# Altium PCB OR_TM2Space.PcbDoc (part 2 of 2)
Units mm, origin at the board's own origin, x right, y up, seen from the top; angles counter-clockwise.
Board outline 85.22 x 90.15 mm, 4 copper layers (Top Layer, GND1, GND2, Bottom Layer), stack 1.647 mm thick; 103 components, 73 nets, 476 pads, 666 vias.
Unrouted connection lines stored in the file: 103.
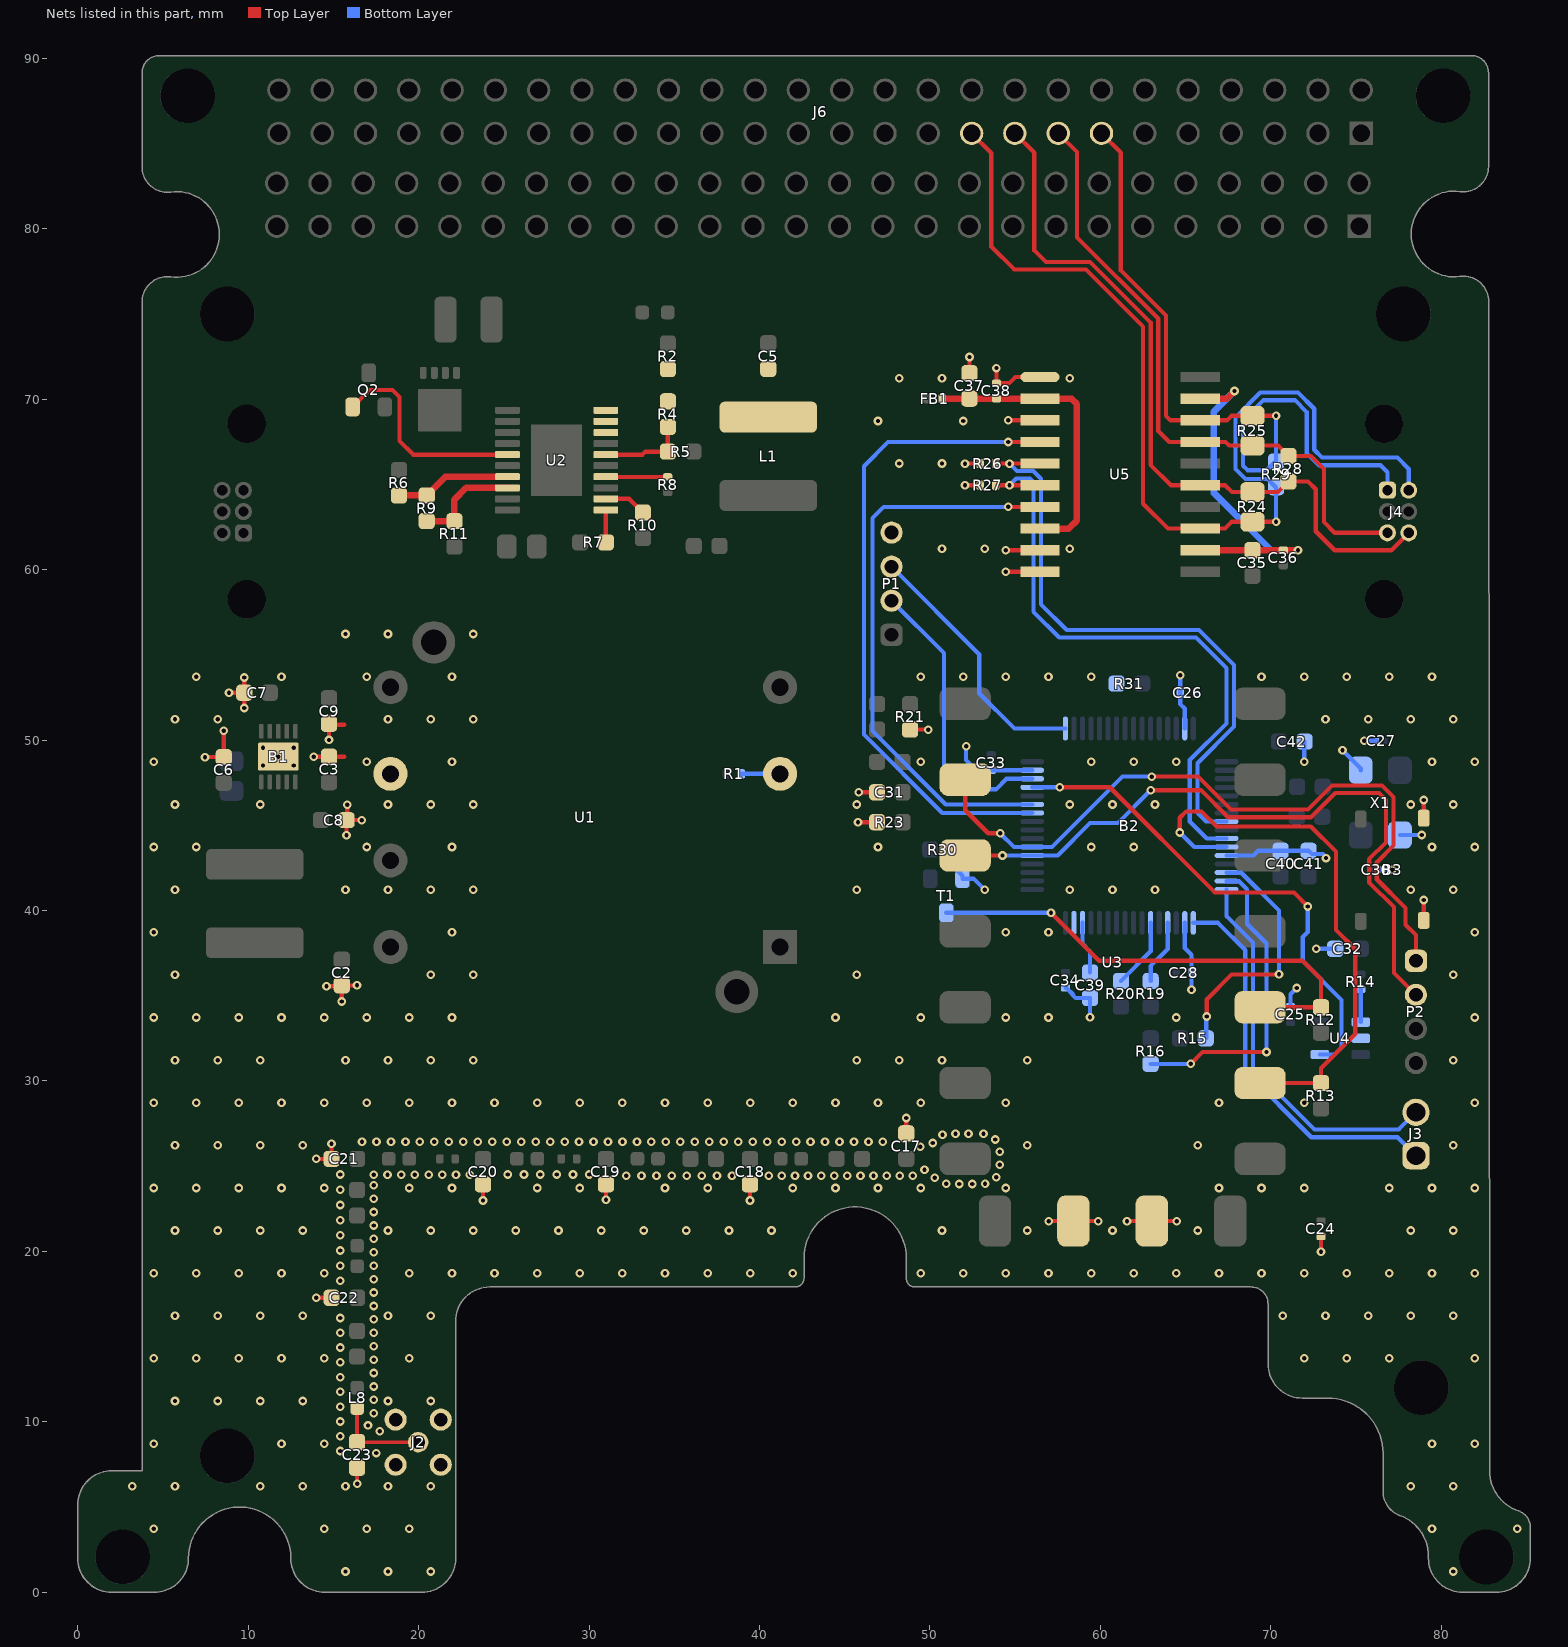
[diagram p4: the nets of this part, all layers, seen from the top]

## Via types
v1: diameter 0.508, hole 0.254, Top Layer to Bottom Layer, tented both sides, 666 vias

## Nets (pads, with @x,y where several pads share a name; then routed paths per layer and width w, separated by ;. In a path a pad name is that pad's centre, name@x,y a point inside that pad or via, vN(x,y) a via of type N, cw(c..) or ccw(c..) an arc to the next point about the centre after c; other vN are vias at no path point) (continued)
NetQ2_1: Q2.1 U2.5 | length 12.6
  Top Layer w0.254: Q2.1@16.126,69.544 16.126,69.622 16.417,69.914 16.496,69.914 17.123,70.541 18.472,70.541 18.882,70.131 18.882,67.551 19.684,66.749 U2.5@25.214,66.749
NetR1_2: R1.2 U1.2 | length 2.3
  Bottom Layer w0.246: R1.2@38.944,48.018 U1.2@41.209,48.018
NetR4_1: R4.1 R5.2 U2.16 | length 5.2
  Top Layer w0.254: U2.16@30.984,66.749 33.132,66.749 33.307,66.924 R5.2@34.624,66.924 R4.1@34.624,68.374
NetR6_1: R6.1 R9.2 U2.7 | length 6.8
  Top Layer w0.381: R6.1@18.849,64.349 R9.2@20.474,64.349 21.574,65.449 U2.7@25.214,65.449
NetR7_2: R7.2 U2.11 | length 1.9
  Top Layer w0.246: R7.2@30.984,61.599 U2.11@30.984,63.499
NetR8_2: R8.2 U2.14 | length 3.6
  Top Layer w0.254: U2.14@30.997,65.436 R8.2@34.612,65.436
NetR9_1: R9.1 R11.2 U2.8 | length 6.3
  Top Layer w0.381: R9.1@20.474,62.849 R11.2@22.099,62.849 22.099,64.112 22.786,64.799 U2.8@25.214,64.799
NetR10_2: R10.2 U2.12 | length 2.5
  Top Layer w0.254: U2.12@30.984,64.149 32.36,64.149 R10.2@33.16,63.349
NetR14_1: R14.1 U4.1 | length 1.9
  Bottom Layer w0.246: U4.1@75.276,33.45 R14.1@75.276,35.371
PA0: B2.14 R15.1 | length 14.9
  Top Layer w0.246: v1(66.238,33.779) 66.238,34.79 67.701,36.253 v1(70.475,36.253)
  Bottom Layer w0.246: R15.1@66.181,32.5 66.209,32.528 66.209,33.75 v1(66.238,33.779) ; B2.14@67.401,42.228 67.411,42.218 68.262,42.218 70.475,40.004 v1(70.475,36.253)
PA1: B2.15 R16.1 | length 18.5
  Top Layer w0.246: v1(65.301,31) 66.001,31.7 v1(69.746,31.7)
  Bottom Layer w0.246: R16.1@62.95,31 v1(65.301,31) ; B2.15@67.401,41.728 67.411,41.718 68.13,41.718 68.602,41.246 68.602,39.221 69.746,38.076 v1(69.746,31.7)
PA4: B2.20 R19.1 | length 3.8
  Bottom Layer w0.246: R19.1@62.951,35.863 62.951,36.741 63.951,37.741 B2.20@63.951,39.278
PA6: B2.22 R20.1 | length 4.1
  Bottom Layer w0.246: R20.1@61.201,35.86 62.951,37.61 B2.22@62.951,39.278
PD_UHF: B2.11 R13.2 U3.6 | length 32.7
  Top Layer w0.246: v1(64.657,44.578) 64.657,45.445 65.029,45.817 65.94,45.817 66.828,44.929 72.34,44.929 73.818,43.451 73.818,38.862 74.952,37.728 74.952,32.756 72.942,30.746 R13.2@72.942,29.878 U3.6@69.369,29.878
  Bottom Layer w0.246: v1(64.657,44.578) 65.507,43.728 B2.11@67.401,43.728
PTT_UHF: R12.2 T1.3 U3.5 | length 28.8
  Top Layer w0.246: v1(57.101,39.867) 59.918,37.05 71.857,37.05 72.942,35.965 R12.2@72.942,34.328 U3.5@69.369,34.328
  Bottom Layer w0.246: T1.3@50.959,39.867 v1(57.101,39.867)
RS485_DE: B2.10 R27.2 U5.6 | length 37
  Top Layer w0.246: R27.2@53.85,64.949 v1(54.669,64.949) U5.6@56.455,64.949
  Bottom Layer w0.246: v1@54.683,64.963 55.061,65.341 55.874,65.341 56.071,65.144 56.071,57.524 57.584,56.01 65.609,56.01 67.401,54.218 67.401,50.978 65.244,48.821 65.244,45.221 66.237,44.228 B2.10@67.401,44.228
RS485_RE: B2.8 R26.2 U5.5 | length 36.5
  Top Layer w0.246: R26.2@53.85,66.219 v1(54.669,66.219) U5.5@56.455,66.219
  Bottom Layer w0.246: v1(54.669,66.219) 55.101,65.787 56.058,65.787 56.517,65.328 56.517,57.963 58.024,56.456 65.794,56.456 67.847,54.403 67.847,50.793 65.691,48.637 65.691,45.736 66.199,45.228 B2.8@67.401,45.228
RS485_RX: B2.42 U5.4 | length 38.4
  Top Layer w0.246: v1(54.59,67.489) U5.4@56.455,67.489
  Bottom Layer w0.246: v1(54.59,67.489) 47.547,67.489 46.124,66.067 46.124,50.326 50.723,45.728 B2.42@56.001,45.728
RS485_TX: B2.43 U5.7 | length 33.7
  Top Layer w0.246: v1(54.59,63.679) U5.7@56.455,63.679
  Bottom Layer w0.246: v1(54.59,63.679) 47.286,63.679 46.624,63.018 46.624,50.533 50.93,46.228 B2.43@56.001,46.228
RS485A: J4.1 J6.13 R25.2 R29.1 U5.18 | length 45.6
  Top Layer w0.246: J6.13@60.064,85.596 61.2,84.46 61.2,77.551 63.844,74.907 63.844,69.024 64.108,68.759 U5.18@65.855,68.759 67.42,68.759 67.684,69.024 R25.2@68.924,69.024 v1(70.308,69.024)
  Bottom Layer w0.246: v1(70.308,69.024) 70.307,66.335 70.244,66.334 69.744,65.834 68.629,65.834 68.369,66.093 68.369,68.743 69.566,69.94 71.416,69.94 72.103,69.253 72.103,66.848 72.826,66.125 76.426,66.125 76.839,65.713 J4.1@76.839,64.659
RS485B: J4.3 J6.15 R25.1 R28.2 U5.17 | length 37.6
  Top Layer w0.246: J6.15@57.524,85.596 58.625,84.495 58.625,79.495 63.397,74.722 63.397,68.135 64.043,67.489 U5.17@65.855,67.489 67.341,67.489 67.557,67.274 R25.1@68.924,67.274 70.43,67.274 R28.2@71.034,66.669 72.346,66.669 73.121,65.894 73.121,62.786 73.748,62.159 J4.3@76.839,62.159
RS485Y: J4.4 J6.19 R24.2 R29.2 U5.13 | length 60.1
  Top Layer w0.246: J6.19@52.444,85.596 53.6,84.44 53.6,78.95 54.95,77.6 59.158,77.6 62.505,74.253 62.505,63.866 63.961,62.409 U5.13@65.855,62.409 67.307,62.409 67.702,62.804 R24.2@68.924,62.804 v1(70.308,62.804)
  Bottom Layer w0.246: v1(70.308,62.804) 70.307,64.834 70.289,64.834 69.81,65.312 68.519,65.312 67.923,65.909 67.923,68.928 69.381,70.387 71.6,70.387 72.549,69.438 72.549,67.033 73.01,66.572 77.429,66.572 78.089,65.912 J4.4@78.089,64.659
RS485Z: J4.6 J6.17 R24.1 R28.1 U5.15 | length 43.9
  Top Layer w0.246: J6.17@54.984,85.596 56.125,84.455 56.125,78.725 56.804,78.046 59.397,78.046 62.951,74.492 62.951,66.148 64.15,64.949 U5.15@65.855,64.949 67.319,64.949 67.714,64.554 R24.1@68.924,64.554 70.419,64.554 R28.1@71.034,65.169 72.185,65.169 72.637,64.717 72.637,62.25 73.748,61.139 77.069,61.139 J4.6@78.089,62.159
RX_UHF: B2.37 P2.2 U3.16 | length 40.7
  Top Layer w0.246: U3.16@52.069,43.228 v1(54.256,43.228) ; v1(62.954,47.059) 65.894,47.059 67.481,45.472 72.358,45.472 73.781,46.894 76.339,46.894 76.753,46.48 76.753,43.995 75.77,43.012 75.77,41.652 77.226,40.196 77.226,36.337 P2.2@78.513,35.05
  Bottom Layer w0.246: v1(54.256,43.228) B2.37@56.001,43.228 57.498,43.228 59.398,45.129 61.024,45.129 v1(62.954,47.059)
SMA: C23.2 J2.1 L8.2 | length 5.6
  Top Layer w0.224: L8.2@16.394,10.803 C23.2@16.394,8.806 J2.1@19.975,8.806
SWCLK: B2.49 P1.3 | length 15.5
  Bottom Layer w0.246: P1.3@47.747,60.175 52.893,55.029 52.893,52.74 54.956,50.678 B2.49@57.951,50.678
SWDIO: B2.46 P1.2 | length 17
  Bottom Layer w0.246: P1.2@47.747,58.175 50.823,55.099 50.823,48.408 52.122,47.11 53.87,47.11 54.488,47.728 B2.46@56.001,47.728
TX_UHF: B2.38 P2.1 U3.17 | length 42.2
  Top Layer w0.246: U3.17@52.069,47.678 52.069,45.885 53.423,44.531 v1(54.124,44.531) ; v1(63.019,47.856) 65.728,47.856 67.666,45.918 72.173,45.918 73.596,47.341 76.524,47.341 77.2,46.665 77.2,43.81 76.217,42.827 76.217,41.837 77.908,40.145 77.908,39.163 78.513,38.558 P2.1@78.513,37.05
  Bottom Layer w0.246: v1(54.124,44.531) 54.124,44.528 54.924,43.728 B2.38@56.001,43.728 57.164,43.728 61.292,47.856 v1(63.019,47.856)
UART2_RX: B2.17 J3.1 | length 22.9
  Bottom Layer w0.246: B2.17@65.451,39.278 66.897,39.278 68.504,37.672 68.504,30.568 72.372,26.7 77.432,26.7 J3.1@78.513,25.619
UART2_TX: B2.16 J3.2 | length 22.6
  Bottom Layer w0.246: B2.16@67.401,41.228 67.401,39.668 68.95,38.119 68.95,30.753 72.557,27.146 77.501,27.146 J3.2@78.513,28.159
VCAP: B2.30 C39.1 | length 3.1
  Bottom Layer w0.246: B2.30@58.951,39.278 58.951,38.048 59.393,37.605 C39.1@59.393,36.363
VCC: C37.1 C38.1 FB1.2 U5.2 U5.8 | length 17.2
  Top Layer w0.381: FB1.2@50.719,70.029 C37.1@52.317,70.029 C38.1@53.9,70.029 U5.2@56.455,70.029 58.31,70.029 58.625,69.714 58.625,62.883 58.151,62.409 U5.8@56.455,62.409
VCC_FUSED: C5.1 L1.1 R2.1 R4.2 U2.18 U2.19 U2.20
VISOIN3: C35.1 C36.1 U5.12 U5.19 | length 20.7
  Top Layer w0.381: U5.12@65.855,61.139 C35.1@68.919,61.139 C36.1@70.734,61.139 v1(71.592,61.139) ; U5.19@65.855,70.029 67.419,70.029 v1(67.869,70.479)
  Bottom Layer w0.381: v1(67.869,70.479) 66.664,69.275 66.664,64.494 70.019,61.139 v1(71.592,61.139)
VSSA: B1.11 B2.12 B2.18 B2.31 B2.47 B2.63 B3.1 B3.2 C2.2 C3.2 C6.2 C7.2 C8.2 C9.2 C17.1 C18.1 C19.1 C20.1 C21.1 C22.1 C23.1 C24.1 C25.2 C26.2 C27.2 C28.2 C30.2 C31.2 C32.2 C33.1 C34.1 C37.2 C38.2 C39.2 C40.2 C41.2 C42.2 J2.2 J2.3 J2.4 J2.5 P1.4 R21.2 R23.2 R26.1 R27.1 R30.1 R31.1 T1.2 U1.5 U3.9 U3.10 U4.2 U5.1 U5.3 U5.9 U5.10 X1.2 X1.4 | length 78.6
  Top Layer w0.246: v1(7.466,48.999) C6.2@8.567,48.999 v1(8.567,50.543) ; v1(8.874,52.778) C7.2@9.769,52.778 ; v1(9.769,51.883) C7.2@9.769,52.778 ; v1(9.769,53.673) C7.2@9.769,52.778 ; v1(13.851,49.024) C3.2@14.746,49.024 15.64,49.024 ; v1(13.999,17.278) C22.1@14.894,17.278 ; v1(13.999,25.428) C21.1@14.894,25.428 v1(14.894,26.323) ; v1(14.599,35.558) 15.494,35.558 v1(15.494,34.663) ; v1(14.746,50.008) 14.746,50.903 15.64,50.903 ; C2.2@15.494,35.608 v1(16.389,35.608) ; v1(15.769,44.408) C8.2@15.769,45.303 v1(16.664,45.303) ; C8.2@15.819,45.303 v1(15.819,46.198) ; v1(16.394,6.362) C23.1@16.394,7.256 ; v1(23.779,22.983) C20.1@23.779,23.878 ; v1(30.994,23.033) C19.1@30.994,23.928 ; v1(39.444,22.983) C18.1@39.444,23.878 ; v1(45.782,45.181) R23.2@46.899,45.181 ; v1(45.832,46.935) C31.2@46.949,46.935 ; C17.1@48.612,26.928 v1(48.612,27.823) ; R21.2@48.785,50.611 v1(49.902,50.611) ; v1(52.055,64.949) R27.1@52.95,64.949 ; v1(52.055,66.219) R26.1@52.95,66.219 ; C37.2@52.317,71.579 v1(52.317,72.474) ; v1(53.9,71.824) C38.2@53.9,70.929 54.639,70.929 55.009,71.299 U5.1@56.455,71.299 ; v1(54.44,59.869) U5.10@56.455,59.869 ; v1(54.44,61.139) U5.9@56.455,61.139 ; v1(54.599,68.759) U5.3@56.455,68.759 ; v1(56.961,21.778) U3.10@58.419,21.778 v1(59.877,21.778) ; v1(61.561,21.778) U3.9@63.019,21.778 v1(64.477,21.778) ; v1(72.942,19.983) C24.1@72.942,20.878 ; B3.2@78.973,39.418 v1(78.973,40.615) ; B3.1@78.973,45.418 v1(78.973,46.481)
  Bottom Layer w0.246: R30.1@51.509,43.578 51.509,42.44 51.909,42.04 T1.2@51.909,41.867 52.563,41.867 v1(53.207,41.223) ; v1(52.122,49.644) 52.122,48.838 52.732,48.228 C33.1@53.6,48.228 B2.47@56.001,48.228 ; C34.1@57.951,35.463 58.001,35.463 58.377,35.087 58.377,35.037 58.551,34.863 C39.2@59.393,34.863 v1(59.393,33.747) ; v1(64.681,53.805) C26.2@64.681,52.771 64.681,52.117 64.951,51.847 B2.63@64.951,50.678 ; B2.18@64.951,39.278 64.951,37.806 65.351,37.406 C28.2@65.351,36.363 65.351,35.351 v1(65.345,35.345) ; B2.12@67.401,43.228 68.969,43.228 69.244,43.503 C40.2@70.574,43.503 C41.2@72.213,43.503 72.41,43.306 73.057,43.306 73.241,43.123 v1(73.241,43.076) v1@73.288,43.028 ; C25.2@71.147,34.35 71.147,35.086 v1(71.519,35.457) ; v1(71.957,48.723) 71.966,48.732 71.966,49.9 C42.2@71.975,49.909 ; v1(72.666,37.753) C32.2@73.776,37.753 ; v1(74.206,49.401) 75.276,48.331 X1.4@75.276,48.231 ; v1(75.483,49.955) C27.2@76.226,49.955 ; C30.2@76.426,42.393 v1(77.123,42.393) ; X1.2@77.576,44.431 v1(78.852,44.431)
  other v1: 15.707,1.223 18.207,1.223 20.707,1.223 80.707,1.223 4.457,3.723 14.457,3.723 16.957,3.723 19.457,3.723 79.457,3.723 84.457,3.723 3.207,6.223 5.707,6.223 10.707,6.223 13.207,6.223 15.707,6.223 18.207,6.223 20.707,6.223 78.207,6.223 80.707,6.223 17.512,8.167 15.396,8.286 4.457,8.723 11.957,8.723 14.457,8.723 79.457,8.723 81.957,8.723 15.396,9.154 17.712,9.445 17.033,9.791 15.396,10.021 17.374,10.502 15.396,10.889 5.707,11.223 8.207,11.223 10.707,11.223 13.207,11.223 18.207,11.223 20.707,11.223 17.374,11.289 15.396,11.756 17.374,12.076 15.396,12.624 17.374,12.864 15.396,13.491 17.374,13.651 4.457,13.723 6.957,13.723 9.457,13.723 11.957,13.723 14.457,13.723 19.457,13.723 71.957,13.723 74.457,13.723 76.957,13.723 81.957,13.723 15.396,14.359 17.374,14.438 15.396,15.227 17.374,15.225 17.374,16.013 15.396,16.094 5.707,16.223 8.207,16.223 10.707,16.223 13.207,16.223 18.207,16.223 20.707,16.223 70.707,16.223 73.207,16.223 75.707,16.223 78.207,16.223 80.707,16.223 17.374,16.8 17.374,17.587 15.396,18.27 17.374,18.374 4.457,18.723 6.957,18.723 9.457,18.723 11.957,18.723 14.457,18.723 19.457,18.723 21.957,18.723 24.457,18.723 26.957,18.723 29.457,18.723 31.957,18.723 34.457,18.723 36.957,18.723 39.457,18.723 41.957,18.723 49.457,18.723 51.957,18.723 54.457,18.723 56.957,18.723 59.457,18.723 61.957,18.723 64.457,18.723 66.957,18.723 69.457,18.723 71.957,18.723 74.457,18.723 76.957,18.723 79.457,18.723 81.957,18.723 15.396,19.162 17.374,19.161 17.374,19.949 15.396,20.053 17.374,20.736 15.396,20.944 5.707,21.223 8.207,21.223 10.707,21.223 13.207,21.223 18.207,21.223 20.707,21.223 23.207,21.223 25.707,21.223 28.207,21.223 30.707,21.223 33.207,21.223 35.707,21.223 38.207,21.223 40.707,21.223 50.707,21.223 55.707,21.223 60.707,21.223 65.707,21.223 78.207,21.223 80.707,21.223 17.374,21.523 15.396,21.835 17.374,22.31 15.396,22.727 17.374,23.098 15.396,23.618 4.457,23.723 6.957,23.723 9.457,23.723 11.957,23.723 14.457,23.723 19.457,23.723 21.957,23.723 26.957,23.723 29.457,23.723 34.457,23.723 36.957,23.723 41.957,23.723 44.457,23.723 46.957,23.723 49.457,23.723 54.457,23.723 66.957,23.723 69.457,23.723 71.957,23.723 76.957,23.723 79.457,23.723 81.957,23.723 17.374,23.885 50.949,23.961 51.711,23.951 52.473,23.951 53.235,23.969 50.276,24.318 53.89,24.358 32.188,24.43 33.074,24.43 33.96,24.43 34.845,24.43 35.731,24.43 36.617,24.43 37.503,24.43 38.389,24.43 40.544,24.43 41.312,24.43 42.081,24.43 42.849,24.43 43.617,24.43 44.386,24.43 45.154,24.43 45.922,24.43 46.691,24.43 47.459,24.43 48.227,24.43 48.995,24.43 15.396,24.509 17.374,24.506 18.177,24.506 18.98,24.506 19.783,24.506 20.587,24.506 21.39,24.506 22.193,24.506 22.996,24.506 25.226,24.509 26.184,24.509 27.142,24.509 28.1,24.509 29.058,24.509 30.016,24.509 49.678,24.789 54.096,25.091 54.096,25.853 49.427,26.149 5.707,26.223 8.207,26.223 10.707,26.223 13.207,26.223 55.707,26.223 65.707,26.223 80.707,26.223 50.159,26.36 16.682,26.425 17.53,26.425 18.379,26.425 19.228,26.425 20.077,26.425 20.926,26.425 21.775,26.425 22.623,26.425 23.472,26.425 24.321,26.425 25.17,26.425 26.019,26.425 26.868,26.425 27.717,26.425 28.565,26.425 29.414,26.425 30.263,26.425 31.112,26.425 31.961,26.425 32.81,26.425 33.658,26.425 34.507,26.425 35.356,26.425 36.205,26.425 37.054,26.425 37.903,26.425 38.752,26.425 39.6,26.425 40.449,26.425 41.298,26.425 42.147,26.425 42.996,26.425 43.845,26.425 44.694,26.425 45.542,26.425 46.391,26.425 47.24,26.425 53.832,26.568 50.741,26.852 51.501,26.905 52.263,26.905 53.144,26.895 4.457,28.723 6.957,28.723 9.457,28.723 11.957,28.723 14.457,28.723 16.957,28.723 19.457,28.723 21.957,28.723 24.457,28.723 26.957,28.723 29.457,28.723 31.957,28.723 34.457,28.723 36.957,28.723 39.457,28.723 41.957,28.723 44.457,28.723 46.957,28.723 49.457,28.723 54.457,28.723 66.957,28.723 71.957,28.723 81.957,28.723 5.707,31.223 8.207,31.223 10.707,31.223 15.707,31.223 18.207,31.223 20.707,31.223 23.207,31.223 45.707,31.223 48.207,31.223 50.707,31.223 55.707,31.223 80.707,31.223 4.457,33.723 6.957,33.723 9.457,33.723 11.957,33.723 14.457,33.723 16.957,33.723 19.457,33.723 21.957,33.723 44.457,33.723 49.457,33.723 54.457,33.723 56.957,33.723 64.457,33.723 81.957,33.723 5.707,36.223 20.707,36.223 23.207,36.223 45.707,36.223 80.707,36.223 4.457,38.723 21.957,38.723 54.457,38.723 56.957,38.723 81.957,38.723 5.707,41.223 15.707,41.223 18.207,41.223 20.707,41.223 23.207,41.223 45.707,41.223 58.207,41.223 60.707,41.223 63.207,41.223 78.207,41.223 80.707,41.223 4.457,43.723 6.957,43.723 16.957,43.723 21.957,43.723 46.957,43.723 59.457,43.723 61.957,43.723 79.457,43.723 81.957,43.723 5.707,46.223 10.707,46.223 18.207,46.223 20.707,46.223 23.207,46.223 45.707,46.223 58.207,46.223 60.707,46.223 63.207,46.223 78.207,46.223 80.707,46.223 10.869,48.503 12.669,48.503 4.457,48.723 16.957,48.723 21.957,48.723 49.457,48.723 59.457,48.723 61.957,48.723 64.457,48.723 79.457,48.723 81.957,48.723 11.769,49.028 10.869,49.553 12.669,49.553 5.707,51.223 8.207,51.223 18.207,51.223 20.707,51.223 23.207,51.223 73.207,51.223 75.707,51.223 78.207,51.223 80.707,51.223 6.957,53.723 11.957,53.723 16.957,53.723 21.957,53.723 49.457,53.723 51.957,53.723 54.457,53.723 56.957,53.723 59.457,53.723 69.457,53.723 71.957,53.723 74.457,53.723 76.957,53.723 79.457,53.723 15.707,56.223 18.207,56.223 23.207,56.223 50.707,61.223 53.207,61.223 58.207,61.223 48.207,66.223 50.707,66.223 46.957,68.723 51.957,68.723 48.207,71.223 50.707,71.223 58.207,71.223
WDI: B2.45 U4.4 | length 29.9
  Top Layer w0.246: v1(57.608,47.228) 60.549,47.228 66.714,41.062 71.351,41.062 72.168,40.246 v1(72.168,40.239)
  Bottom Layer w0.246: B2.45@56.001,47.228 v1(57.608,47.228) ; v1(72.168,40.239) 72.168,38.746 71.876,38.454 71.876,37.031 74.149,34.758 74.149,31.952 73.746,31.55 U4.4@72.876,31.55
pads on no net: B2.2 B2.3 B2.4 B2.9 B2.21 B2.23 B2.24 B2.25 B2.26 B2.27 B2.28 B2.29 B2.33 B2.34 B2.35 B2.36 B2.39 B2.41 B2.44 B2.50 B2.51 B2.52 B2.53 B2.54 B2.55 B2.56 B2.57 B2.58 B2.59 B2.61 B2.62 J1. J4. J5.01 J5.02 J5.03 J5.04 J5.05 J5.06 J5.07 J5.08 J5.13 J5.14 J5.15 J5.16 J5.17 J5.18 J5.19 J5.20 J5.25 J5.26 J5.27 J5.28 J5.30 J5.32 J5.37 J5.38 J5.39 J5.40 J5.41 J5.42 J5.43 J5.44 J5.49 J5.50 J5.51 J5.52 J6.01 J6.03 J6.05 J6.06 J6.07 J6.08 J6.14 J6.16 J6.18 J6.20 J6.25 J6.26 J6.27 J6.28 J6.29 J6.30 J6.31 J6.32 J6.37 J6.38 J6.39 J6.40 J6.41 J6.42 J6.43 J6.44 J6.49 J6.50 J6.51 J6.52 U1.4 U1.6 U1.S1 U1.S2 U2.17 U3.1 U3.2 U3.3 U3.4 U3.7 U3.11 U3.13 U3.14 U3.15

## Polygon pours and split planes (outlines as drawn)
VSSA on Top Layer "NONET_L-01_P-001" (solid, remove dead copper, pour order 9): 3.775,45.778 3.775,53.398 4.795,54.418 11.418,54.418 15.252,58.252 22.28,58.252 23.573,56.959 23.573,32.552 24.72,31.405 41.598,31.405 45.267,35.074 45.267,70.947 48.326,74.006 58.105,74.006 59.323,72.789 59.323,61.698 63.576,57.445 71.147,57.445 73.6,54.992 80.788,54.992 82.799,52.982 82.799,7.243 ccw(c85.339,7.243) 83.543,5.446 83.853,5.136 84.356,4.841 84.687,4.722 cw(c84.687,4.189) 85.22,4.189 85.22,2 cw(c83.22,2) 83.22,0 81.146,0 cw(c81.146,1.902) 79.245,1.902 79.245,2.478 ccw(c79.208,2.478) 79.208,2.515 79.208,2.976 ccw(c77.759,2.976) 77.759,4.426 cw(c77.759,5.598) 76.586,5.598 76.586,8.855 ccw(c74.046,8.855) 74.046,11.395 71.836,11.395 cw(c71.836,13.395) 69.836,13.395 69.836,16.912 ccw(c68.836,16.912) 68.836,17.912 49.112,17.912 cw(c49.112,18.412) 48.612,18.412 48.612,19.612 48.612,20.063 ccw(c46.072,20.063) 46.072,22.603 45.156,22.603 ccw(c45.156,20.063) 42.616,20.063 42.616,18.417 cw(c42.112,18.417) 42.112,17.912 24.082,17.912 ccw(c24.082,16.01) 22.18,16.01 22.18,2.005 cw(c20.175,2.005) 20.175,0 14.5,0 cw(c14.5,2) 12.5,2 12.5,2.451 ccw(c9.96,2.451) 9.96,4.991 9.04,4.991 ccw(c9.04,2.451) 6.5,2.451 6.5,2 cw(c4.5,2) 4.5,0 2,0 cw(c2,2) 0,2 0,5.131 cw(c2.003,5.131) 2.003,7.135 3.775,7.135
IGND on Top Layer "NONET_L-01_P-001" (solid, remove dead copper, pour order 14): 4.55,59.902 cw(c4.55,60.677) 3.775,60.677 3.775,89.249 cw(c4.677,89.249) 4.677,90.151 81.824,90.151 cw(c81.824,89.204) 82.771,89.204 82.771,57.323 81.256,55.809 75.009,55.809 72.349,58.469 64.694,58.469 61.701,61.463 61.701,73.627 59.407,75.921 46.849,75.921 44.016,73.088 44.016,36.409 40.756,33.15 35.293,33.15 33.044,35.399 33.044,58.092 31.234,59.902 9.825,59.902
NetQ1_5 on Top Layer "NONET_L-01_P-001" (solid, remove dead copper, pour order 8): 25.298,70.604 25.934,69.968 25.934,67.895 cw(c25.883,67.895) 25.883,67.844 20.287,67.844 cw(c20.287,68.156) 19.974,68.156 19.974,70.541 cw(c20.037,70.541) 20.037,70.604
NetC4_1 on Top Layer "NONET_L-01_P-001" (solid, remove dead copper, pour order 7): 39.562,36.858 35.215,41.205 35.215,58.198 37.173,60.156 37.173,64.905 37.516,65.249 43.096,65.249 cw(c43.096,64.979) 43.366,64.979 43.366,59.467 39.553,55.655 39.553,42.271 42.209,39.615 42.209,36.858
5V_E on Top Layer "NONET_L-01_P-001" (solid, remove dead copper, pour order 6): 11.676,62.652 12.073,63.048 12.073,74.935 15.762,78.625 35.13,78.625 36.134,79.63 36.134,80.635 36.573,81.073 40.118,81.073 40.502,80.689 40.502,78.241 38.846,76.585 22.789,76.585 22.224,76.021 22.224,73.11 22.824,72.51 22.824,71.326 22.692,71.194 20.824,71.194 cw(c20.824,71.294) 20.724,71.294 20.724,72.025 20.22,72.53 15.749,72.53 15.175,71.956 15.175,63.161 13.021,61.007 8.032,61.007 7.621,61.418 7.621,62.341 7.932,62.652
NetC2_1 on Top Layer "NONET_L-01_P-001" (solid, remove dead copper, pour order 1): 18.974,39.008 19.533,38.449 19.533,37.237 18.929,36.633 17,36.633 7.657,36.633 7.386,36.904 7.386,38.773 7.621,39.008 8.475,39.008
5V_ISO on Top Layer "NONET_L-01_P-001" (solid, remove dead copper, pour order 3): 13.989,41.808 14.744,42.563 14.744,46.14 15.221,46.616 15.221,47.787 ccw(c14.983,47.787) 15.13,47.973 12.201,47.973 12.134,47.906 12.134,46.168 11.088,45.122 8.019,45.122 7.536,44.639 7.536,42.078 ccw(c7.806,42.078) 7.806,41.808
NetB1_6 on Top Layer "NONET_L-01_P-001" (solid, remove dead copper, pour order 4): 8.328,47.973 ccw(c8.328,47.737) 8.092,47.737 8.092,47.262 ccw(c8.329,47.262) 8.329,47.024 11.748,47.024 ccw(c11.748,47.18) 11.904,47.18 11.904,47.906 ccw(c11.837,47.906) 11.837,47.973
+3V3 on Top Layer "NONET_L-01_P-001" (solid, remove dead copper, pour order 5): 11.674,50.083 13.068,50.083 13.756,50.771 13.756,51.442 14.292,51.978 15.683,51.978 16.339,52.634 16.339,54.201 15.79,54.75 13.674,54.75 12.269,53.344 12.269,52.119 11.634,51.484 11.634,50.123 ccw(c11.674,50.123)
VCC_FUSED on Top Layer "VCC_FUSED_L01_P000" (solid, remove dead copper, pour order 0): 37.606,72.252 43.468,72.252 44.016,71.704 44.016,68.285 43.78,68.049 37.084,68.049 35.734,69.399 33.666,69.399 32.111,67.844 30.316,67.844 cw(c30.316,67.895) 30.264,67.895 30.264,71.536 30.981,72.252
VSSA on GND1 "NONET_L-01_P-001" (solid, remove dead copper, pour order 10): 3.775,45.778 3.775,53.398 4.795,54.418 11.418,54.418 15.252,58.252 22.28,58.252 23.573,56.959 23.573,32.552 24.72,31.405 41.598,31.405 45.267,35.074 45.267,70.947 48.326,74.006 58.105,74.006 59.323,72.789 59.323,61.698 63.576,57.445 71.147,57.445 73.6,54.992 80.788,54.992 82.799,52.982 82.799,7.243 ccw(c85.339,7.243) 83.543,5.446 83.853,5.136 84.356,4.841 84.687,4.722 cw(c84.687,4.189) 85.22,4.189 85.22,2 cw(c83.22,2) 83.22,0 81.146,0 cw(c81.146,1.902) 79.245,1.902 79.245,2.478 ccw(c79.208,2.478) 79.208,2.515 79.208,2.976 ccw(c77.759,2.976) 77.759,4.426 cw(c77.759,5.598) 76.586,5.598 76.586,8.855 ccw(c74.046,8.855) 74.046,11.395 71.836,11.395 cw(c71.836,13.395) 69.836,13.395 69.836,16.912 ccw(c68.836,16.912) 68.836,17.912 49.112,17.912 cw(c49.112,18.412) 48.612,18.412 48.612,19.612 48.612,20.063 ccw(c46.072,20.063) 46.072,22.603 45.156,22.603 ccw(c45.156,20.063) 42.616,20.063 42.616,18.417 cw(c42.112,18.417) 42.112,17.912 24.082,17.912 ccw(c24.082,16.01) 22.18,16.01 22.18,2.005 cw(c20.175,2.005) 20.175,0 14.5,0 cw(c14.5,2) 12.5,2 12.5,2.451 ccw(c9.96,2.451) 9.96,4.991 9.04,4.991 ccw(c9.04,2.451) 6.5,2.451 6.5,2 cw(c4.5,2) 4.5,0 2,0 cw(c2,2) 0,2 0,5.131 cw(c2.003,5.131) 2.003,7.135 3.775,7.135
IGND on GND1 "NONET_L-01_P-001" (solid, remove dead copper, pour order 15): 4.55,59.902 cw(c4.55,60.677) 3.775,60.677 3.775,89.249 cw(c4.677,89.249) 4.677,90.151 81.824,90.151 cw(c81.824,89.204) 82.771,89.204 82.771,57.323 81.256,55.809 75.009,55.809 72.349,58.469 64.694,58.469 61.701,61.463 61.701,73.627 59.407,75.921 46.849,75.921 44.016,73.088 44.016,36.409 40.756,33.15 35.293,33.15 33.044,35.399 33.044,58.092 31.234,59.902 9.825,59.902
VSSA on GND2 "NONET_L-01_P-001" (solid, remove dead copper, pour order 11): 3.775,45.778 3.775,53.398 4.795,54.418 11.418,54.418 15.252,58.252 22.28,58.252 23.573,56.959 23.573,32.552 24.72,31.405 41.598,31.405 45.267,35.074 45.267,70.947 48.326,74.006 58.105,74.006 59.323,72.789 59.323,61.698 63.576,57.445 71.147,57.445 73.6,54.992 80.788,54.992 82.799,52.982 82.799,7.243 ccw(c85.339,7.243) 83.543,5.446 83.853,5.136 84.356,4.841 84.687,4.722 cw(c84.687,4.189) 85.22,4.189 85.22,2 cw(c83.22,2) 83.22,0 81.146,0 cw(c81.146,1.902) 79.245,1.902 79.245,2.478 ccw(c79.208,2.478) 79.208,2.515 79.208,2.976 ccw(c77.759,2.976) 77.759,4.426 cw(c77.759,5.598) 76.586,5.598 76.586,8.855 ccw(c74.046,8.855) 74.046,11.395 71.836,11.395 cw(c71.836,13.395) 69.836,13.395 69.836,16.912 ccw(c68.836,16.912) 68.836,17.912 49.112,17.912 cw(c49.112,18.412) 48.612,18.412 48.612,19.612 48.612,20.063 ccw(c46.072,20.063) 46.072,22.603 45.156,22.603 ccw(c45.156,20.063) 42.616,20.063 42.616,18.417 cw(c42.112,18.417) 42.112,17.912 24.082,17.912 ccw(c24.082,16.01) 22.18,16.01 22.18,2.005 cw(c20.175,2.005) 20.175,0 14.5,0 cw(c14.5,2) 12.5,2 12.5,2.451 ccw(c9.96,2.451) 9.96,4.991 9.04,4.991 ccw(c9.04,2.451) 6.5,2.451 6.5,2 cw(c4.5,2) 4.5,0 2,0 cw(c2,2) 0,2 0,5.131 cw(c2.003,5.131) 2.003,7.135 3.775,7.135
IGND on GND2 "NONET_L-01_P-001" (solid, remove dead copper, pour order 16): 4.55,59.902 cw(c4.55,60.677) 3.775,60.677 3.775,89.249 cw(c4.677,89.249) 4.677,90.151 81.824,90.151 cw(c81.824,89.204) 82.771,89.204 82.771,57.323 81.256,55.809 75.009,55.809 72.349,58.469 64.694,58.469 61.701,61.463 61.701,73.627 59.407,75.921 46.849,75.921 44.016,73.088 44.016,36.409 40.756,33.15 35.293,33.15 33.044,35.399 33.044,58.092 33.239,58.287 31.624,59.902 9.825,59.902
VSSA on Bottom Layer "NONET_L-01_P-001" (solid, remove dead copper, pour order 12): 3.775,45.778 3.775,53.398 4.795,54.418 11.418,54.418 15.252,58.252 22.28,58.252 23.573,56.959 23.573,32.552 24.72,31.405 41.598,31.405 45.267,35.074 45.267,70.947 48.326,74.006 58.105,74.006 59.323,72.789 59.323,61.698 63.576,57.445 71.147,57.445 73.6,54.992 80.788,54.992 82.799,52.982 82.799,7.243 ccw(c85.339,7.243) 83.543,5.446 83.853,5.136 84.356,4.841 84.687,4.722 cw(c84.687,4.189) 85.22,4.189 85.22,2 cw(c83.22,2) 83.22,0 81.146,0 cw(c81.146,1.902) 79.245,1.902 79.245,2.478 ccw(c79.208,2.478) 79.208,2.515 79.208,2.976 ccw(c77.759,2.976) 77.759,4.426 cw(c77.759,5.598) 76.586,5.598 76.586,8.855 ccw(c74.046,8.855) 74.046,11.395 71.836,11.395 cw(c71.836,13.395) 69.836,13.395 69.836,16.912 ccw(c68.836,16.912) 68.836,17.912 49.112,17.912 cw(c49.112,18.412) 48.612,18.412 48.612,19.612 48.612,20.063 ccw(c46.072,20.063) 46.072,22.603 45.156,22.603 ccw(c45.156,20.063) 42.616,20.063 42.616,18.417 cw(c42.112,18.417) 42.112,17.912 24.082,17.912 ccw(c24.082,16.01) 22.18,16.01 22.18,2.005 cw(c20.175,2.005) 20.175,0 14.5,0 cw(c14.5,2) 12.5,2 12.5,2.451 ccw(c9.96,2.451) 9.96,4.991 9.04,4.991 ccw(c9.04,2.451) 6.5,2.451 6.5,2 cw(c4.5,2) 4.5,0 2,0 cw(c2,2) 0,2 0,5.131 cw(c2.003,5.131) 2.003,7.135 3.775,7.135
IGND on Bottom Layer "NONET_L-01_P-001" (solid, remove dead copper, pour order 13): 4.55,59.902 cw(c4.55,60.677) 3.775,60.677 3.775,89.249 cw(c4.677,89.249) 4.677,90.151 81.824,90.151 cw(c81.824,89.204) 82.771,89.204 82.771,57.323 81.256,55.809 75.009,55.809 72.349,58.469 64.694,58.469 61.701,61.463 61.701,73.627 59.407,75.921 46.849,75.921 44.016,73.088 44.016,36.409 40.756,33.15 35.293,33.15 33.044,35.399 33.044,58.092 31.234,59.902 9.825,59.902
no net on Top Solder "NONET_L-01_P-001" (solid): 6.777,12.113 7.014,11.875 10.279,11.875 11.173,10.982 11.173,9.181 15.583,4.77 20.376,4.77 21.004,5.399 21.004,16.835 cw(c23.544,16.835) 23.544,19.375 40.588,19.375 ccw(c40.588,20.36) 41.573,20.36 41.573,21.106 cw(c44.113,21.106) 44.113,23.646 47.191,23.646 cw(c47.191,21.107) 49.731,21.106 49.731,19.661 ccw(c50.016,19.661) 50.016,19.375 68.684,19.375 68.684,17.912 49.112,17.912 cw(c49.112,18.422) 48.602,18.422 48.602,20.063 ccw(c46.062,20.063) 46.062,22.603 45.156,22.603 ccw(c45.156,20.063) 42.616,20.063 42.616,19.73 42.612,19.73 42.612,18.412 cw(c42.112,18.412) 42.112,17.912 24.175,17.912 ccw(c24.175,15.912) 22.175,15.912 22.175,2 cw(c20.175,2) 20.175,0 14.5,0 cw(c14.5,2.005) 12.495,2.005 12.495,2.451 ccw(c9.955,2.451) 9.955,4.991 9.04,4.991 ccw(c9.04,2.451) 6.5,2.451 6.5,1.902 cw(c4.598,1.902) 4.598,0 2,0 cw(c2,2) 0,2 0,5.329 cw(c1.808,5.323) 1.806,7.132 3.775,7.132 3.775,75.779 cw(c5.18,75.779) 5.18,77.183 5.382,77.183 ccw(c5.404,77.183) 5.404,77.161 5.888,77.161 ccw(c5.888,79.574) 8.301,79.574 8.301,79.663 ccw(c5.832,79.663) 5.832,82.132 5.303,82.132 cw(c5.303,83.66) 3.775,83.66 3.775,89.132 cw(c4.794,89.132) 4.794,90.151 81.888,90.151 cw(c81.888,89.264) 82.775,89.264 82.775,83.633 cw(c81.343,83.633) 81.342,82.201 80.764,82.201 ccw(c80.764,79.689) 78.252,79.689 ccw(c80.73,79.689) 80.73,77.211 81.172,77.211 cw(c81.172,75.552) 82.832,75.552 82.832,6.478 ccw(c84.538,6.478) 84.538,4.772 cw(c84.538,4.09) 85.22,4.089 85.22,2 cw(c83.22,2) 83.22,0 81.245,0 cw(c81.245,2) 79.245,2 79.245,3.017 ccw(c77.928,3.017) 77.928,4.334 cw(c77.928,5.676) 76.586,5.676 76.586,8.855 ccw(c74.046,8.855) 74.046,11.395 71.836,11.395 cw(c71.836,13.395) 69.836,13.395 69.836,19.375 79.355,19.375 80.732,20.753 80.732,68.698 75.482,73.948 75.482,76.793 76.941,78.251 76.941,88.709 76.492,89.158 10.46,89.158 9.881,88.579 9.881,79.339 11.224,77.996 11.224,73.933 cw(c9.588,73.933) 9.588,72.296 7.643,72.296 ccw(c7.643,71.43) 6.777,71.43
no net on Top Solder "NONET_L-01_P-001" (solid): 68.344,19.375 70.159,19.375 70.159,17.077 69.347,17.888 69.03,17.888 69.03,17.954 68.344,18.64
no net on Bottom Solder "NONET_L-01_P-001" (solid): 68.344,19.375 70.159,19.375 70.159,17.077 69.347,17.888 69.03,17.888 69.03,17.954 68.344,18.64
no net on Bottom Solder "NONET_L-01_P-001" (solid): 6.777,12.113 7.014,11.875 10.279,11.875 11.173,10.982 11.173,9.181 15.583,4.77 20.376,4.77 21.004,5.399 21.004,16.835 cw(c23.544,16.835) 23.544,19.375 40.588,19.375 ccw(c40.588,20.36) 41.573,20.36 41.573,21.106 cw(c44.113,21.106) 44.113,23.646 47.191,23.646 cw(c47.191,21.107) 49.731,21.106 49.731,19.661 ccw(c50.016,19.661) 50.016,19.375 68.684,19.375 68.684,17.912 49.112,17.912 cw(c49.112,18.422) 48.602,18.422 48.602,20.063 ccw(c46.062,20.063) 46.062,22.603 45.156,22.603 ccw(c45.156,20.063) 42.616,20.063 42.616,19.73 42.612,19.73 42.612,18.412 cw(c42.112,18.412) 42.112,17.912 24.175,17.912 ccw(c24.175,15.912) 22.175,15.912 22.175,2 cw(c20.175,2) 20.175,0 14.5,0 cw(c14.5,2.005) 12.495,2.005 12.495,2.451 ccw(c9.955,2.451) 9.955,4.991 9.04,4.991 ccw(c9.04,2.451) 6.5,2.451 6.5,1.902 cw(c4.598,1.902) 4.598,0 2,0 cw(c2,2) 0,2 0,5.329 cw(c1.808,5.323) 1.806,7.132 3.775,7.132 3.775,75.779 cw(c5.18,75.779) 5.18,77.183 5.382,77.183 ccw(c5.404,77.183) 5.404,77.161 5.888,77.161 ccw(c5.888,79.574) 8.301,79.574 8.301,79.663 ccw(c5.832,79.663) 5.832,82.132 5.303,82.132 cw(c5.303,83.66) 3.775,83.66 3.775,89.132 cw(c4.794,89.132) 4.794,90.151 81.888,90.151 cw(c81.888,89.264) 82.775,89.264 82.775,83.633 cw(c81.343,83.633) 81.342,82.201 80.764,82.201 ccw(c80.764,79.689) 78.252,79.689 ccw(c80.73,79.689) 80.73,77.211 81.172,77.211 cw(c81.172,75.552) 82.832,75.552 82.832,6.478 ccw(c84.538,6.478) 84.538,4.772 cw(c84.538,4.09) 85.22,4.089 85.22,2 cw(c83.22,2) 83.22,0 81.245,0 cw(c81.245,2) 79.245,2 79.245,3.017 ccw(c77.928,3.017) 77.928,4.334 cw(c77.928,5.676) 76.586,5.676 76.586,8.855 ccw(c74.046,8.855) 74.046,11.395 71.836,11.395 cw(c71.836,13.395) 69.836,13.395 69.836,19.375 79.355,19.375 80.732,20.753 80.732,68.698 75.482,73.948 75.482,76.793 76.941,78.251 76.941,88.709 76.492,89.158 10.46,89.158 9.881,88.579 9.881,79.339 11.224,77.996 11.224,73.933 cw(c9.588,73.932) 9.588,72.296 7.643,72.296 ccw(c7.643,71.43) 6.777,71.43

## Other copper
Top Layer:
  text ".Layer_Name" at 92.495,5.925 h1.52
GND1:
  text ".Layer_Name" at 94.545,5.653 h1.52
GND2:
  text ".Layer_Name" at 94.392,5.653 h1.52
Bottom Layer:
  text ".Layer_Name" at 98.989,5.925 h1.52

## Silkscreen, mask and mechanical layers (free items; w line width, h text height)
Top Overlay:
  drawing of 25 lines, arcs and shapes, not listed
  text "Somaiya OrbitRadio" at 7.454,29.112 h1
  text ".Layer_Name" at 91.17,5.909 h1.52
Bottom Overlay:
  text ".Layer_Name" at 98.989,5.909 h1.52
Top Paste:
  text ".Layer_Name" at 92.567,5.925 h1.52
Bottom Paste:
  text ".Layer_Name" at 98.989,5.925 h1.52
Top Solder:
  text ".Layer_Name" at 91.892,5.909 h1.52
Bottom Solder:
  text ".Layer_Name" at 98.989,5.909 h1.52
Board:
  the board outline again, w0.5
  text ".Layer_Name" at 90.83,5.922 h1.52
Mechanical 15:
  drawing of 533 lines, arcs and shapes, not listed
Drill Drawing:
  drawing of 457 lines, arcs and shapes, not listed
  text "Layer" at 158.902,142.613 h1.52
  text "Name" at 169.313,142.613 h1.52
  text "Material" at 192.929,142.613 h1.52
  text "Thickness" at 214.767,142.613 h1.52
  text "Constant" at 231.273,142.613 h1.52
  text "Board Layer Stack" at 245.747,142.613 h1.52
  text "Top Overlay" at 169.313,139.565 h1.52
  text "Top Solder" at 169.313,136.517 h1.52
  text "Solder Resist" at 192.929,136.517 h1.52
  text "0.40mil" at 214.767,136.517 h1.52
  text "4" at 231.273,136.517 h1.52
  text "1" at 158.902,133.469 h1.52
  text "Top Layer" at 169.313,133.469 h1.52
  text "1.40mil" at 214.767,133.469 h1.52
  text "Dielectric 4" at 169.313,130.421 h1.52
  text "FR-4" at 192.929,130.421 h1.52
  text "3.31mil" at 214.767,130.421 h1.52
  text "4.3" at 231.273,130.421 h1.52
  text "Dielectric 2" at 169.313,127.373 h1.52
  text "FR-4" at 192.929,127.373 h1.52
  text "2.72mil" at 214.767,127.373 h1.52
  text "4.3" at 231.273,127.373 h1.52
  text "2" at 158.902,124.325 h1.52
  text "GND1" at 169.313,124.325 h1.52
  text "CF-004" at 192.929,124.325 h1.52
  text "1.38mil" at 214.767,124.325 h1.52
  text "Dielectric 1" at 169.313,121.277 h1.52
  text "FR-4" at 192.929,121.277 h1.52
  text "47.24mil" at 214.767,121.277 h1.52
  text "4.3" at 231.273,121.277 h1.52
  text "Structure Name" at 11.402,119.594 h2
  text "Trace Width (Mils)" at 78.9,119.163 h2
  text "Tolrence (+/- %)" at 129.25,118.549 h2
  text "Impedance Signal Layer" at 36.177,118.37 h2
  text "3" at 158.902,118.229 h1.52
  text "GND2" at 169.313,118.229 h1.52
  text "CF-004" at 192.929,118.229 h1.52
  text "1.38mil" at 214.767,118.229 h1.52
  text "Ref. Plane in Layer-1" at 53.427,118.195 h2
  text "Ref. Plane in Layer-2" at 66.7,118.195 h2
  text "Trace Separation (Mils)" at 91.05,117.356 h2
  text "Calculated Impedance (Ohm)" at 104.322,117.353 h2
  text "Target Impedance (Ohm)" at 116.647,117.021 h2
  text "Ground Strip Separation" at 142.55,116.995 h2
  text "Dielectric 3" at 169.313,115.181 h1.52
  text "FR-4" at 192.929,115.181 h1.52
  text "2.72mil" at 214.767,115.181 h1.52
  text "4.3" at 231.273,115.181 h1.52
  text "_" at 95.466,115.121 h2
  text "_" at 145.7,115.111 h2
  text "49.940" at 104.375,114.358 h2
  text "50 Ohm" at 117.454,114.358 h2
  text "0" at 70.145,114.325 h2
  text "10 %" at 130.75,114.326 h2
  text "Coated Microstrip 1B" at 8.583,114.297 h2
  text "2" at 56.872,114.301 h2
  text "9.700" at 79.65,114.207 h2
  text "1" at 40.838,114.045 h2
  text "Dielectric 5" at 169.313,112.133 h1.52
  text "FR-4" at 192.929,112.133 h1.52
  text "3.31mil" at 214.767,112.133 h1.52
  text "4.3" at 231.273,112.133 h1.52
  text "_" at 95.466,111.328 h2
  text "50.360" at 104.375,110.564 h2
  text "50 Ohm" at 117.454,110.564 h2
  text "0" at 70.2,110.55 h2
  text "10 %" at 130.75,110.532 h2
  text "2" at 56.927,110.526 h2
  text "1" at 40.838,110.491 h2
  text "9.000" at 143.961,110.496 h2
  text "CPWG" at 13.918,110.47 h2
  text "8.800" at 79.596,110.457 h2
  text "4" at 158.902,109.085 h1.52
  text "Bottom Layer" at 169.313,109.085 h1.52
  text "1.40mil" at 214.767,109.085 h1.52
  text "_" at 95.466,107.534 h2
  text "_" at 145.7,107.534 h2
  text "3" at 56.927,106.756 h2
  text "5" at 70.2,106.756 h2
  text "49.940" at 104.375,106.77 h2
  text "50 Ohm" at 117.454,106.77 h2
  text "10 %" at 130.75,106.738 h2
  text "4" at 40.838,106.697 h2
  text "9.700" at 79.596,106.663 h2
  text "CPWG" at 13.918,106.418 h2
  text "Bottom Solder" at 169.313,106.037 h1.52
  text "Solder Resist" at 192.929,106.037 h1.52
  text "0.40mil" at 214.767,106.037 h1.52
  text "4" at 231.273,106.037 h1.52
  text "Bottom Overlay" at 169.313,102.989 h1.52
  text "Symbol" at 97.477,95.084 h1.83
  text "Count" at 110.326,95.084 h1.83
  text "Hole Size" at 125.308,95.084 h1.83
  text "Plated" at 154.509,95.084 h1.83
  text "Hole Type" at 167.358,95.084 h1.83
  text "Drill Layer Pair" at 185.997,95.084 h1.83
  text "Via/Pad" at 224.086,95.084 h1.83
  text "Pad Shape" at 239.068,95.084 h1.83
  text "2" at 110.326,91.274 h1.52
  text "43.31mil (1.100mm)" at 125.308,91.274 h1.52
  text "PTH" at 154.509,91.274 h1.52
  text "Round" at 167.358,91.274 h1.52
  text "Top Layer - Bottom Layer" at 185.997,91.274 h1.52
  text "Pad" at 224.086,91.274 h1.52
  text "(Mixed)" at 239.068,91.274 h1.52
  text "2" at 110.326,87.464 h1.52
  text "59.06mil (1.500mm)" at 125.308,87.464 h1.52
  text "PTH" at 154.509,87.464 h1.52
  text "Round" at 167.358,87.464 h1.52
  text "Top Layer - Bottom Layer" at 185.997,87.464 h1.52
  text "Pad" at 224.086,87.464 h1.52
  text "Rounded" at 239.068,87.464 h1.52
  text "4" at 110.326,83.654 h1.52
  text "88.58mil (2.250mm)" at 125.308,83.654 h1.52
  text "NPTH" at 154.509,83.654 h1.52
  text "Round" at 167.358,83.654 h1.52
  text "Top Layer - Bottom Layer" at 185.997,83.654 h1.52
  text "Pad" at 224.086,83.654 h1.52
  text "Rounded" at 239.068,83.654 h1.52
  text "7" at 110.326,79.844 h1.52
  text "39.37mil (1.000mm)" at 125.308,79.844 h1.52
  text "PTH" at 154.509,79.844 h1.52
  text "Round" at 167.358,79.844 h1.52
  text "Top Layer - Bottom Layer" at 185.997,79.844 h1.52
  text "Pad" at 224.086,79.844 h1.52
  text "(Mixed)" at 239.068,79.844 h1.52
  text "8" at 110.326,76.034 h1.52
  text "125.98mil (3.200mm)" at 125.308,76.034 h1.52
  text "NPTH" at 154.509,76.034 h1.52
  text "Round" at 167.358,76.034 h1.52
  text "Top Layer - Bottom Layer" at 185.997,76.034 h1.52
  text "Pad" at 224.086,76.034 h1.52
  text "Rounded" at 239.068,76.034 h1.52
  text "12" at 110.326,72.224 h1.52
  text "23.62mil (0.600mm)" at 125.308,72.224 h1.52
  text "PTH" at 154.509,72.224 h1.52
  text "Round" at 167.358,72.224 h1.52
  text "Top Layer - Bottom Layer" at 185.997,72.224 h1.52
  text "Pad" at 224.086,72.224 h1.52
  text "(Mixed)" at 239.068,72.224 h1.52
  text "13" at 110.326,68.414 h1.52
  text "31.50mil (0.800mm)" at 125.308,68.414 h1.52
  text "PTH" at 154.509,68.414 h1.52
  text "Round" at 167.358,68.414 h1.52
  text "Top Layer - Bottom Layer" at 185.997,68.414 h1.52
  text "Pad" at 224.086,68.414 h1.52
  text "(Mixed)" at 239.068,68.414 h1.52
  text "104" at 110.326,64.604 h1.52
  text "40.16mil (1.020mm)" at 125.308,64.604 h1.52
  text "PTH" at 154.509,64.604 h1.52
  text "Round" at 167.358,64.604 h1.52
  text "Top Layer - Bottom Layer" at 185.997,64.604 h1.52
  text "Pad" at 224.086,64.604 h1.52
  text "(Mixed)" at 239.068,64.604 h1.52
  text "666" at 110.326,60.794 h1.52
  text "10.00mil (0.254mm)" at 125.308,60.794 h1.52
  text "PTH" at 154.509,60.794 h1.52
  text "Round" at 167.358,60.794 h1.52
  text "Top Layer - Bottom Layer" at 185.997,60.794 h1.52
  text "Via" at 224.086,60.794 h1.52
  text "Rounded" at 239.068,60.794 h1.52
  text "818 Total" at 110.326,56.984 h1.52
  text ".Layer_Name" at 90.775,5.925 h1.52

## Text inside footprints (layer, text, board x,y; h text height)
D1: Top Overlay "K" at 31.9,75.318 h1 r180
U3: Top Overlay "1" at 71.319,51.778 h1